# KiCad board Toad'sTempest.kicad_pcb
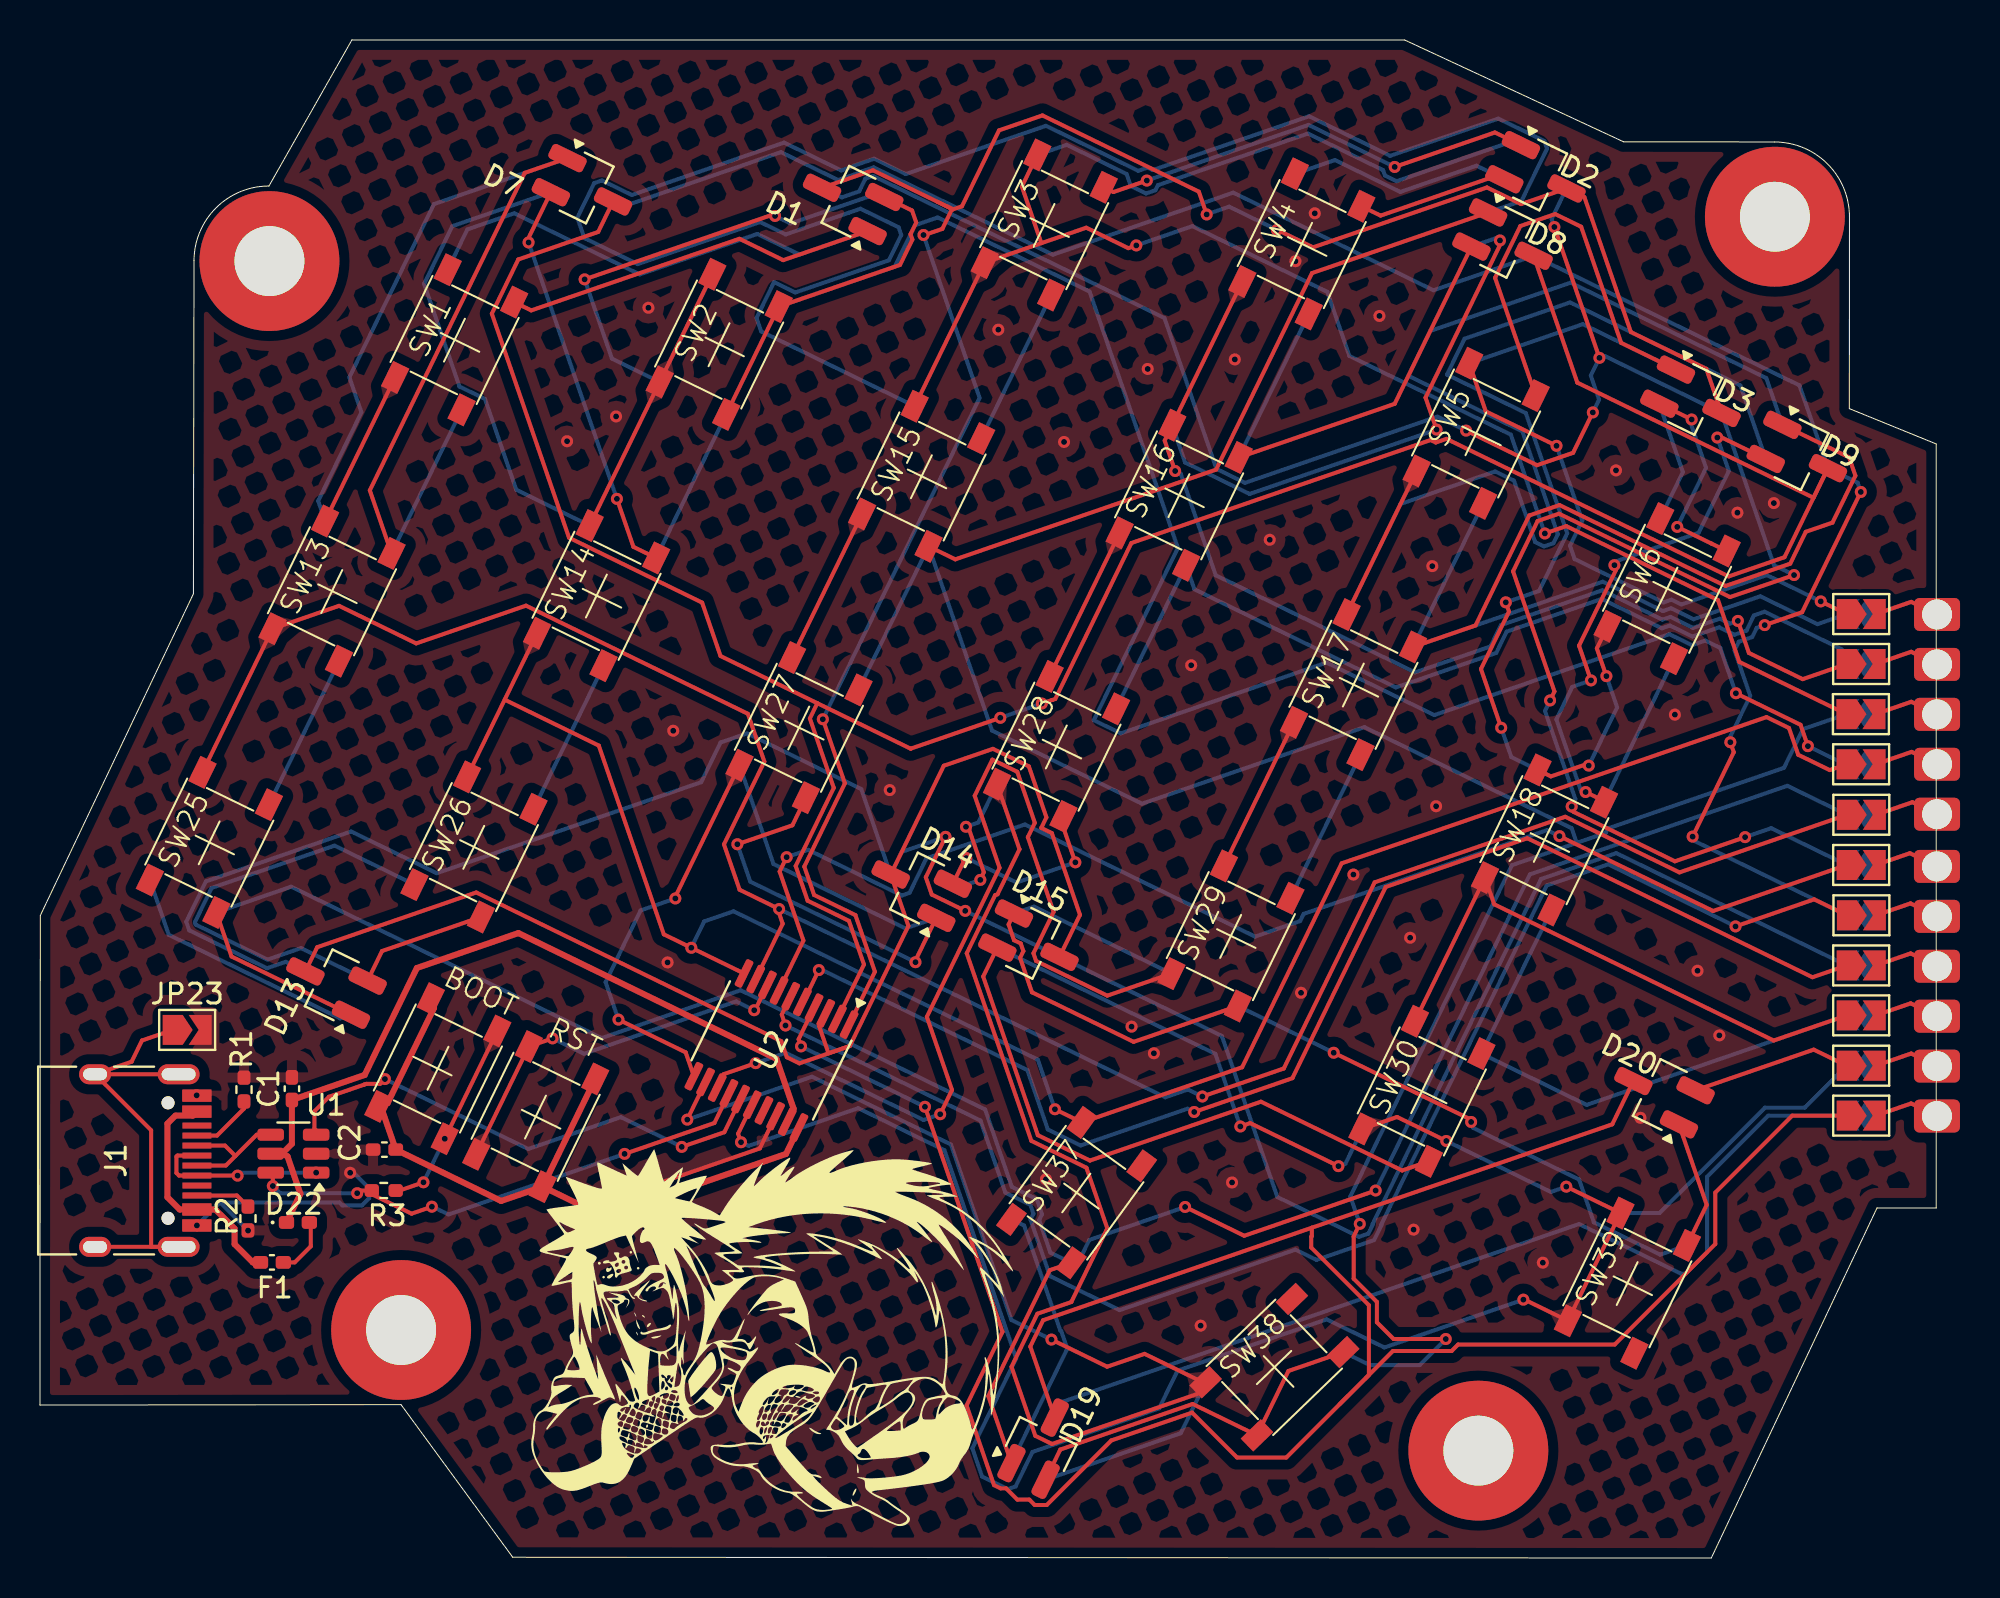
[diagram p0: board, top side]
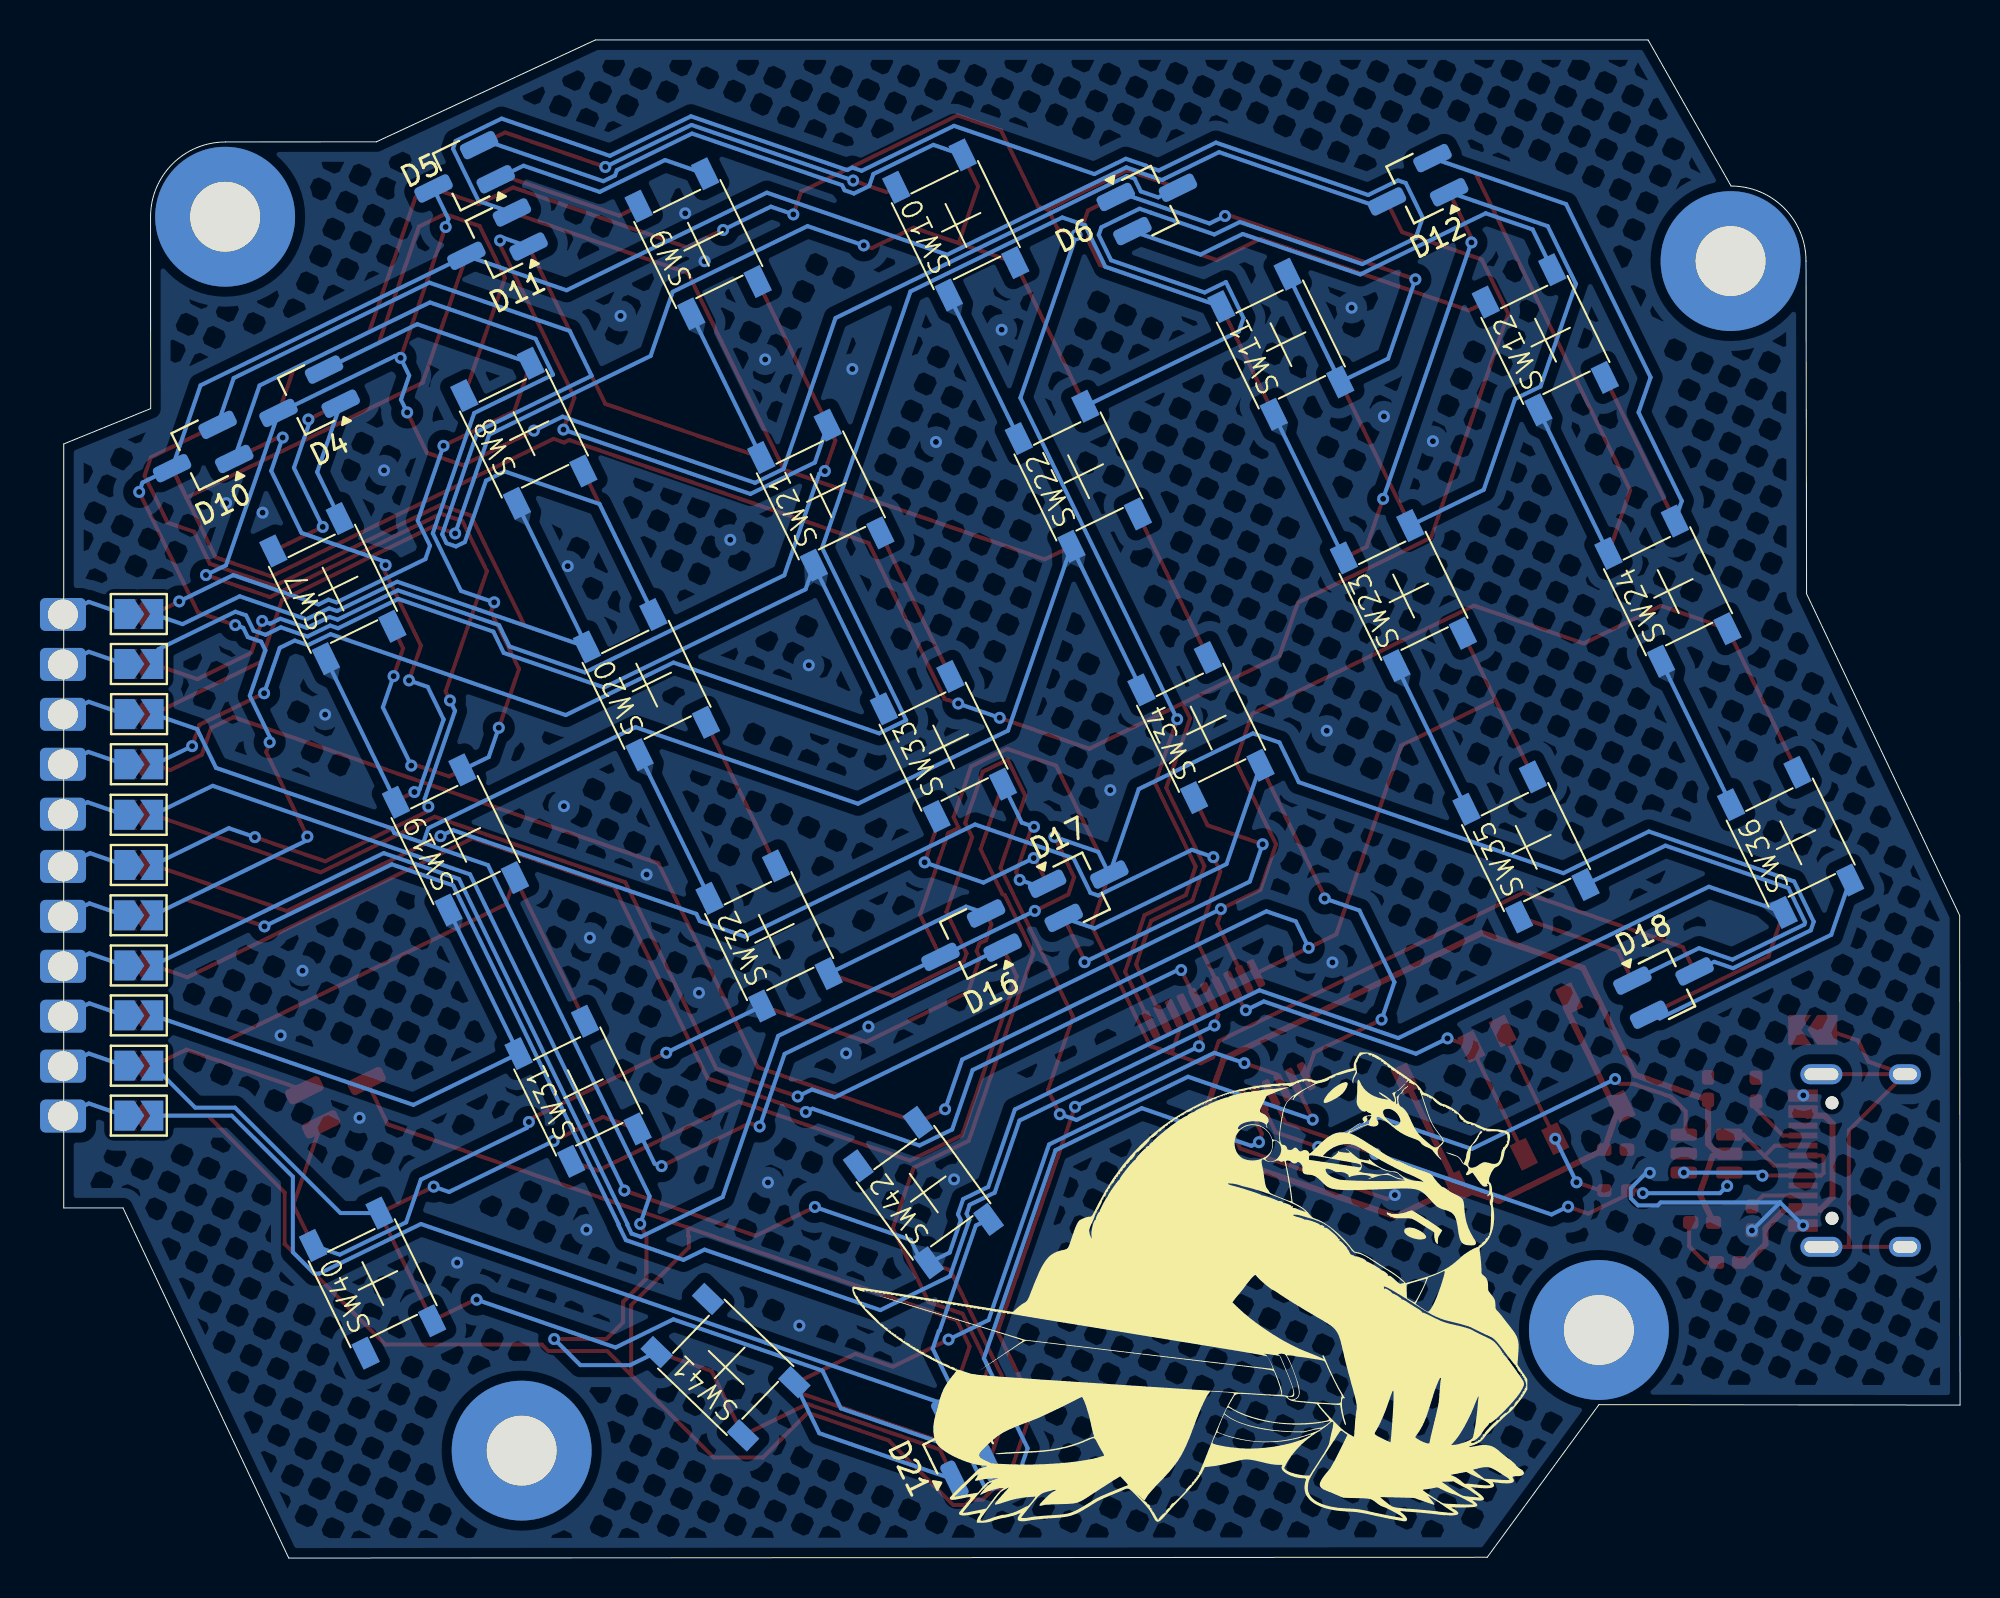
[diagram p1: board, bottom side, seen from below]

Outline 94.9 x 76.01 mm; copper layers: Top, Bottom. Coordinates in mm from the lower left corner of the outline.
Outline path: 0,7.66 18.07,7.68 23.66,0.04 83.64,0 91.94,17.53 94.9,17.53 94.9,55.78 90.55,57.55 90.56,67.15 arc(89.46,69.8) 86.81,70.9 79.25,70.91 68.29,76.01 15.61,76.01 11.46,68.7 arc(8.81,67.6) 7.71,64.95 7.68,48.28 0.02,32.17 0,7.66
Stack: Top 0.035mm / dielectric 1.51mm FR4 er 4.5 / Bottom 0.035mm

## Placement (name value [footprint] x y rotation side)
BOOT  BOOT  [BZCN-tsc003]  19.91 24.5 244 top
C1  100nF  [C_0402_1005Metric_Pad0.74x0.62mm_HandSolder]  12.61 23.5 90 top
C2  100nF  [C_0402_1005Metric_Pad0.74x0.62mm_HandSolder]  17.24 20.45 180 top
D1  BAV70_Small  [SOT-23_Handsoldering]  40.49 67.95 154 top
D2  BAV70_Small  [SOT-23_Handsoldering]  75.05 69.23 334 top
D3  BAV70_Small  [SOT-23_Handsoldering]  82.8 57.99 334 top
D4  BAV70_Small  [SOT-23_Handsoldering]  82.8 57.99 334 bottom
D5  BAV70_Small  [SOT-23_Handsoldering]  75.05 69.23 334 bottom
D6  BAV70_Small  [SOT-23_Handsoldering]  40.49 67.95 154 bottom
D7  BAV70_Small  [SOT-23_Handsoldering]  27.33 68.58 334 top
D8  BAV70_Small  [SOT-23_Handsoldering]  73.4 65.86 334 top
D9  BAV70_Small  [SOT-23_Handsoldering]  88.13 55.23 334 top
D10  BAV70_Small  [SOT-23_Handsoldering]  88.13 55.23 334 bottom
D11  BAV70_Small  [SOT-23_Handsoldering]  73.4 65.86 334 bottom
D12  BAV70_Small  [SOT-23_Handsoldering]  27.33 68.58 334 bottom
D13  BAV70_Small  [SOT-23_Handsoldering]  14.63 28.72 154 top
D14  BAV70_Small  [SOT-23_Handsoldering]  43.92 33.57 154 top
D15  BAV70_Small  [SOT-23_Handsoldering]  49.67 30.76 334 top
D16  BAV70_Small  [SOT-23_Handsoldering]  49.67 30.76 334 bottom
D17  BAV70_Small  [SOT-23_Handsoldering]  43.92 33.57 154 bottom
D18  BAV70_Small  [SOT-23_Handsoldering]  14.63 28.72 154 bottom
D19  BAV70_Small  [SOT-23_Handsoldering]  50.13 5.69 64 top
D20  BAV70_Small  [SOT-23_Handsoldering]  81.09 23.23 154 top
D21  BAV70_Small  [SOT-23_Handsoldering]  50.13 5.69 64 bottom
D22  PMEG2010EA  [D_0402_1005Metric_Pad0.77x0.64mm_HandSolder]  12.91 16.8 0 top
F1  500mA  [Fuse_0402_1005Metric_Pad0.77x0.64mm_HandSolder]  11.61 14.8 180 top
H1  MountingHole_Pad  [castellated pad]  94.93 34.63 0 top
H2  MountingHole_Pad  [castellated pad]  94.93 32.13 0 top
H3  MountingHole_Pad  [castellated pad]  94.93 29.63 0 top
H4  MountingHole_Pad  [castellated pad]  94.93 27.13 0 top
H5  MountingHole_Pad  [castellated pad]  94.93 24.63 0 top
H6  MountingHole_Pad  [castellated pad]  94.93 22.13 0 top
H7  MountingHole_Pad  [castellated pad]  94.94 47.24 0 top
H8  MountingHole_Pad  [castellated pad]  94.94 44.74 0 top
H9  MountingHole_Pad  [castellated pad]  94.94 42.24 0 top
H10  MountingHole_Pad  [castellated pad]  94.94 39.74 0 top
H11  MountingHole_Pad  [castellated pad]  94.94 37.24 0 top
J1  USB_C_Receptacle_USB2.0  [USB_C_Receptacle_HRO_TYPE-C-31-M-12]  3.81 19.9 270 top
JP1  SolderJumper_2_Open  [SolderJumper-2_P1.3mm_Open_TrianglePad1.0x1.5mm]  91.14 34.7 0 top
JP2  SolderJumper_2_Open  [SolderJumper-2_P1.3mm_Open_TrianglePad1.0x1.5mm]  91.14 34.7 180 bottom
JP3  SolderJumper_2_Open  [SolderJumper-2_P1.3mm_Open_TrianglePad1.0x1.5mm]  91.15 32.18 0 top
JP4  SolderJumper_2_Open  [SolderJumper-2_P1.3mm_Open_TrianglePad1.0x1.5mm]  91.15 32.18 180 bottom
JP5  SolderJumper_2_Open  [SolderJumper-2_P1.3mm_Open_TrianglePad1.0x1.5mm]  91.14 29.67 0 top
JP6  SolderJumper_2_Open  [SolderJumper-2_P1.3mm_Open_TrianglePad1.0x1.5mm]  91.14 29.67 180 bottom
JP7  SolderJumper_2_Open  [SolderJumper-2_P1.3mm_Open_TrianglePad1.0x1.5mm]  91.14 27.17 0 top
JP8  SolderJumper_2_Open  [SolderJumper-2_P1.3mm_Open_TrianglePad1.0x1.5mm]  91.14 27.17 180 bottom
JP9  SolderJumper_2_Open  [SolderJumper-2_P1.3mm_Open_TrianglePad1.0x1.5mm]  91.14 24.65 0 top
JP10  SolderJumper_2_Open  [SolderJumper-2_P1.3mm_Open_TrianglePad1.0x1.5mm]  91.14 24.65 180 bottom
JP11  SolderJumper_2_Open  [SolderJumper-2_P1.3mm_Open_TrianglePad1.0x1.5mm]  91.14 22.15 0 top
JP12  SolderJumper_2_Open  [SolderJumper-2_P1.3mm_Open_TrianglePad1.0x1.5mm]  91.14 22.15 180 bottom
JP13  SolderJumper_2_Open  [SolderJumper-2_P1.3mm_Open_TrianglePad1.0x1.5mm]  91.14 47.26 0 top
JP14  SolderJumper_2_Open  [SolderJumper-2_P1.3mm_Open_TrianglePad1.0x1.5mm]  91.14 47.26 180 bottom
JP15  SolderJumper_2_Open  [SolderJumper-2_P1.3mm_Open_TrianglePad1.0x1.5mm]  91.14 44.76 0 top
JP16  SolderJumper_2_Open  [SolderJumper-2_P1.3mm_Open_TrianglePad1.0x1.5mm]  91.14 44.76 180 bottom
JP17  SolderJumper_2_Open  [SolderJumper-2_P1.3mm_Open_TrianglePad1.0x1.5mm]  91.13 42.25 0 top
JP18  SolderJumper_2_Open  [SolderJumper-2_P1.3mm_Open_TrianglePad1.0x1.5mm]  91.13 42.25 180 bottom
JP19  SolderJumper_2_Open  [SolderJumper-2_P1.3mm_Open_TrianglePad1.0x1.5mm]  91.14 39.74 0 top
JP20  SolderJumper_2_Open  [SolderJumper-2_P1.3mm_Open_TrianglePad1.0x1.5mm]  91.14 39.74 180 bottom
JP21  SolderJumper_2_Open  [SolderJumper-2_P1.3mm_Open_TrianglePad1.0x1.5mm]  91.15 37.21 0 top
JP22  SolderJumper_2_Open  [SolderJumper-2_P1.3mm_Open_TrianglePad1.0x1.5mm]  91.15 37.21 180 bottom
JP23  SolderJumper_2_Open  [SolderJumper-2_P1.3mm_Open_TrianglePad1.0x1.5mm]  7.37 26.44 0 top
R1  5.1k  [R_0402_1005Metric_Pad0.72x0.64mm_HandSolder]  10.21 23.46 270 top
R2  5.1k  [R_0402_1005Metric_Pad0.72x0.64mm_HandSolder]  10.41 17 90 top
R3  10k  [R_0402_1005Metric_Pad0.72x0.64mm_HandSolder]  17.21 18.4 0 top
REF**  -  [MountingHole_3.5mm_Pad]  18.07 11.42 0 top
REF**#2  -  [MountingHole_3.5mm_Pad]  11.48 64.94 0 top
REF**#3  -  [MountingHole_3.5mm_Pad]  86.82 67.16 0 top
REF**#4  -  [MountingHole_3.5mm_Pad]  71.98 5.38 0 top
RST  RESET  [BZCN-tsc003]  24.81 22.1 64 top
SW1  SW_Push  [BZCN-tsc003]  20.75 61 64 top
SW2  SW_Push  [BZCN-tsc003]  33.99 60.77 64 top
SW3  SW_Push  [BZCN-tsc003]  50.26 66.75 64 top
SW4  SW_Push  [BZCN-tsc003]  63.15 65.8 64 top
SW5  SW_Push  [BZCN-tsc003]  71.87 56.32 64 top
SW6  SW_Push  [BZCN-tsc003]  81.43 48.54 64 top
SW7  SW_Push  [BZCN-tsc003#3]  81.43 48.54 64 bottom
SW8  SW_Push  [BZCN-tsc003#3]  71.87 56.32 64 bottom
SW9  SW_Push  [BZCN-tsc003#3]  63.15 65.8 64 bottom
SW10  SW_Push  [BZCN-tsc003#3]  50.26 66.75 64 bottom
SW11  SW_Push  [BZCN-tsc003#3]  33.99 60.77 64 bottom
SW12  SW_Push  [BZCN-tsc003#3]  20.75 61 64 bottom
SW13  SW_Push  [BZCN-tsc003]  14.62 48.42 64 top
SW14  SW_Push  [BZCN-tsc003]  27.86 48.19 64 top
SW15  SW_Push  [BZCN-tsc003]  44.12 54.16 64 top
SW16  SW_Push  [BZCN-tsc003]  57.01 53.22 64 top
SW17  SW_Push  [BZCN-tsc003]  65.74 43.73 64 top
SW18  SW_Push  [BZCN-tsc003]  75.29 35.95 64 top
SW19  SW_Push  [BZCN-tsc003#3]  75.29 35.95 64 bottom
SW20  SW_Push  [BZCN-tsc003#3]  65.74 43.73 64 bottom
SW21  SW_Push  [BZCN-tsc003#3]  57.01 53.22 64 bottom
SW22  SW_Push  [BZCN-tsc003#3]  44.12 54.16 64 bottom
SW23  SW_Push  [BZCN-tsc003#3]  27.86 48.19 64 bottom
SW24  SW_Push  [BZCN-tsc003#3]  14.62 48.42 64 bottom
SW25  SW_Push  [BZCN-tsc003]  8.48 35.83 64 top
SW26  SW_Push  [BZCN-tsc003]  21.72 35.61 64 top
SW27  SW_Push  [BZCN-tsc003]  37.98 41.58 64 top
SW28  SW_Push  [BZCN-tsc003]  50.87 40.63 64 top
SW29  SW_Push  [BZCN-tsc003]  59.6 31.15 64 top
SW30  SW_Push  [BZCN-tsc003]  69.16 23.37 64 top
SW31  SW_Push  [BZCN-tsc003#3]  69.16 23.37 64 bottom
SW32  SW_Push  [BZCN-tsc003#3]  59.6 31.15 64 bottom
SW33  SW_Push  [BZCN-tsc003#3]  50.87 40.63 64 bottom
SW34  SW_Push  [BZCN-tsc003#3]  37.98 41.58 64 bottom
SW35  SW_Push  [BZCN-tsc003#3]  21.72 35.61 64 bottom
SW36  SW_Push  [BZCN-tsc003#3]  8.48 35.83 64 bottom
SW37  SW_Push  [BZCN-tsc003#2]  51.88 18.3 54 top
SW38  SW_Push  [BZCN-tsc003#2]  61.78 9.56 44 top
SW39  SW_Push  [BZCN-tsc003]  79.44 13.77 64 top
SW40  SW_Push  [BZCN-tsc003#3]  79.44 13.77 64 bottom
SW41  SW_Push  [BZCN-tsc003#2]  61.78 9.56 44 bottom
SW42  SW_Push  [BZCN-tsc003#2]  51.88 18.3 54 bottom
U1  USBLC6-2SC6  [SOT-23-6]  12.68 20.25 180 top
U2  CH552T  [TSSOP-20_4.4x6.5mm_P0.65mm]  36.61 25.41 244 top

## Library data of the parts
BOOT RST = -: Description: Single Pole Single Throw (SPST) switch; LCSC: C115357; LCSC Part : C2888968
C1 C2 = -: Description: Unpolarized capacitor; LCSC: C1525; ki_fp_filters: C_*
D1-D21 = -: Datasheet: https://assets.nexperia.com/documents/data-sheet/BAV70_SER.pdf; ki_fp_filters: SOT?23*
D22 = -: Description: Schottky diode; LCSC: C2837790; ki_fp_filters: TO-???* *_Diode_* *SingleDiode* D_*
F1 = -: Description: Resettable fuse, polymeric positive temperature coefficient, small symbol; LCSC: C210357; ki_fp_filters: *polyfuse* *PTC*
H1-H11 = -: Description: Mounting Hole with connection; ki_fp_filters: MountingHole*Pad*
J1 = -: Datasheet: https://www.usb.org/sites/default/files/documents/usb_type-c.zip; JLCPCB_CORRECTION: 0; -1.35; 0; LCSC: C2765186; ki_fp_filters: USB*C*Receptacle*
JP1-JP23 = -: Description: Solder Jumper, 2-pole, open; ki_fp_filters: SolderJumper*Open*
R1 R2 = -: Description: Resistor; LCSC: C25905; ki_fp_filters: R_*
R3 = -: Description: Resistor; LCSC: C25744; ki_fp_filters: R_*
SW1-SW42 = -: Description: Single Pole Single Throw (SPST) switch; LCSC Part : C2888968
U1 = -: Datasheet: https://www.st.com/resource/en/datasheet/usblc6-2.pdf; Description: Very low capacitance ESD protection diode, 2 data-line, SOT-23-6; JLCPCB_CORRECTION: 0; 0; 270; LCSC: C2687116; ki_fp_filters: SOT?23*
U2 = -: LCSC: C111367

## Footprints (pads in the part's own frame, mm; a bottom-side part is the same pattern mirrored in y, then rotated)
BZCN-tsc003
  rect 1.4x0.9 smd: 1(-3,1.85) 1(3,1.85) 2(-3,-1.85) 2(3,-1.85)
BZCN-tsc003#2
  rect 1.4x0.9 smd: 1(-3,1.85) 1(3,1.85) 2(-3,-1.85) 2(3,-1.85)
BZCN-tsc003#3
  rect 1.4x0.9 smd: 1(-3,1.85) 1(3,1.85) 2(-3,-1.85) 2(3,-1.85)
C_0402_1005Metric_Pad0.74x0.62mm_HandSolder
  rrect 0.735x0.62 smd: 1(-0.568,0) 2(0.568,0)
castellated pad
  rrect 2.3x1.65 hole 1.5: 1(0,0)
D_0402_1005Metric_Pad0.77x0.64mm_HandSolder
  rrect 0.765x0.64 smd: 1(-0.573,0) 2(0.573,0)
Fuse_0402_1005Metric_Pad0.77x0.64mm_HandSolder
  rrect 0.765x0.64 smd: 1(-0.573,0) 2(0.573,0)
MountingHole_3.5mm_Pad
  round 7 hole 3.5: 1(0,0)
R_0402_1005Metric_Pad0.72x0.64mm_HandSolder
  rrect 0.715x0.64 smd: 1(-0.598,0) 2(0.598,0)
SolderJumper-2_P1.3mm_Open_TrianglePad1.0x1.5mm
  custom 1.5x1.5 smd: 1(-0.725,0)
  custom 1.15x1.5 smd: 2(0.725,0)
SOT-23-6
  rrect 1.325x0.6 smd: 1(-1.137,0.95) 2(-1.137,0) 3(-1.138,-0.95) 4(1.137,-0.95) 5(1.137,0) 6(1.138,0.95)
SOT-23_Handsoldering
  rrect 1.9x0.8 smd: 1(-1.5,0.95) 2(-1.5,-0.95) 3(1.5,0)
TSSOP-20_4.4x6.5mm_P0.65mm
  rrect 1.475x0.4 smd: 1(-2.862,2.925) 2(-2.862,2.275) 3(-2.862,1.625) 4(-2.862,0.975) 5(-2.862,0.325) 6(-2.862,-0.325) 7(-2.862,-0.975) 8(-2.862,-1.625) 9(-2.862,-2.275) 10(-2.862,-2.925) 11(2.862,-2.925) 12(2.862,-2.275) 13(2.862,-1.625) 14(2.862,-0.975) 15(2.862,-0.325) 16(2.862,0.325) 17(2.862,0.975) 18(2.862,1.625) 19(2.862,2.275) 20(2.862,2.925)
USB_C_Receptacle_HRO_TYPE-C-31-M-12
  round 0.65 hole 0.65 unplated: (-2.89,2.6) (2.89,2.6)
  rect 0.6x1.45 smd: A1(-3.25,4.045) A4(-2.45,4.045) A9(2.45,4.045) A12(3.25,4.045) B1(3.25,4.045) B4(2.45,4.045) B9(-2.45,4.045) B12(-3.25,4.045)
  rect 0.3x1.45 smd: A5(-1.25,4.045) A6(-0.25,4.045) A7(0.25,4.045) A8(1.25,4.045) B5(1.75,4.045) B6(0.75,4.045) B7(-0.75,4.045) B8(-1.75,4.045)
  oval 1x2.1 hole 0.6x1.7: S1(-4.32,3.13) S1(4.32,3.13)
  oval 1x1.6 hole 0.6x1.2: S1(-4.32,-1.05) S1(4.32,-1.05)

## Nets
+3.3V: BOOT.2 C2.1 RST.2 U2.20
GND: C1.2 C2.2 J1.A1 J1.A12 J1.B1 J1.B12 JP23.2 R1.1 R2.1 U1.2 U2.18
VBUS: F1.2 J1.A4 J1.A9 J1.B4 J1.B9
VCC: C1.1 D22.1 U1.5 U2.19
c1: JP21.1 SW1.1 SW13.1 SW25.1 U2.9
c2: JP19.1 SW2.1 SW14.1 SW26.1 SW37.1 U2.10
c3: JP17.1 SW3.1 SW15.1 SW27.1 U2.11
c4: JP15.1 SW4.1 SW16.1 SW28.1 SW38.1 U2.12
c5: JP13.1 SW5.1 SW17.1 SW29.1 U2.13
c6: JP7.1 SW6.1 SW18.1 SW30.1 SW39.1 U2.16
DM: U1.3 U2.15
DP: R3.1 U1.6 U2.14
PORT+: J1.A6 J1.B6 U1.1
PORT-: J1.A7 J1.B7 U1.4
r1: D1.3 D2.3 D3.3 U2.1
r2: D7.3 D8.3 D9.3 U2.2
r3: D13.3 D14.3 D15.3 U2.3
r4: D19.3 D20.3 JP11.1 U2.4
r5: JP5.1 U2.5
r6: JP3.1 U2.6
r7: JP1.1 U2.7
RST: RST.1 U2.8
Net-(D1-A1): D1.1 SW1.2
Net-(D1-A2): D1.2 SW2.2
Net-(D2-A1): D2.1 SW3.2
Net-(D2-A2): D2.2 SW4.2
Net-(D3-A1): D3.1 SW5.2
Net-(D3-A2): D3.2 SW6.2
Net-(D4-A1): D4.1 SW7.2
Net-(D4-A2): D4.2 SW8.2
Net-(D4-K): D4.3 D5.3 D6.3 JP2.2
Net-(D5-A1): D5.1 SW9.2
Net-(D5-A2): D5.2 SW10.2
Net-(D6-A1): D6.1 SW11.2
Net-(D6-A2): D6.2 SW12.2
Net-(D7-A1): D7.1 SW13.2
Net-(D7-A2): D7.2 SW14.2
Net-(D8-A1): D8.1 SW15.2
Net-(D8-A2): D8.2 SW16.2
Net-(D9-A1): D9.1 SW17.2
Net-(D9-A2): D9.2 SW18.2
Net-(D10-A1): D10.1 SW19.2
Net-(D10-A2): D10.2 SW20.2
Net-(D10-K): D10.3 D11.3 D12.3 JP4.2
Net-(D11-A1): D11.1 SW21.2
Net-(D11-A2): D11.2 SW22.2
Net-(D12-A1): D12.1 SW23.2
Net-(D12-A2): D12.2 SW24.2
Net-(D13-A1): D13.1 SW25.2
Net-(D13-A2): D13.2 SW26.2
Net-(D14-A1): D14.1 SW27.2
Net-(D14-A2): D14.2 SW28.2
Net-(D15-A1): D15.1 SW29.2
Net-(D15-A2): D15.2 SW30.2
Net-(D16-A1): D16.1 SW31.2
Net-(D16-A2): D16.2 SW32.2
Net-(D16-K): D16.3 D17.3 D18.3 JP6.2
Net-(D17-A1): D17.1 SW33.2
Net-(D17-A2): D17.2 SW34.2
Net-(D18-A1): D18.1 SW35.2
Net-(D18-A2): D18.2 SW36.2
Net-(D19-A1): D19.1 SW37.2
Net-(D19-A2): D19.2 SW38.2
Net-(D20-A1): D20.1 SW39.2
Net-(D20-A2): D20.2 JP9.1
Net-(D21-A1): D21.1 SW41.2
Net-(D21-A2): D21.2 SW42.2
Net-(D21-K): D21.3 JP12.2
Net-(D22-A): D22.2 F1.1
Net-(J1-CC1): J1.A5 R1.2
Net-(J1-CC2): J1.B5 R2.2
Net-(J1-SHIELD): J1.S1 JP23.1
Net-(JP1-B): H1.1 JP1.2 JP2.1
Net-(JP3-B): H2.1 JP3.2 JP4.1
Net-(JP5-B): H3.1 JP5.2 JP6.1
Net-(JP7-B): H4.1 JP7.2 JP8.1
Net-(JP8-B): JP8.2 SW7.1 SW19.1 SW31.1
Net-(JP10-A): H5.1 JP9.2 JP10.1
Net-(JP10-B): JP10.2 SW40.2
Net-(JP11-B): H6.1 JP11.2 JP12.1
Net-(JP13-B): H7.1 JP13.2 JP14.1
Net-(JP14-B): JP14.2 SW8.1 SW20.1 SW32.1 SW40.1
Net-(JP15-B): H8.1 JP15.2 JP16.1
Net-(JP16-B): JP16.2 SW9.1 SW21.1 SW33.1
Net-(JP17-B): H9.1 JP17.2 JP18.1
Net-(JP18-B): JP18.2 SW10.1 SW22.1 SW34.1 SW41.1
Net-(JP19-B): H10.1 JP19.2 JP20.1
Net-(JP20-B): JP20.2 SW11.1 SW23.1 SW35.1
Net-(JP21-B): H11.1 JP21.2 JP22.1
Net-(JP22-B): JP22.2 SW12.1 SW24.1 SW36.1 SW42.1
Net-(SW43-A): BOOT.1 R3.2

Pads without a net: J1 A8 B8; REF** 1; REF**#2 1; REF**#3 1; REF**#4 1; U2 17

## Via types
v1: diameter 0.6, hole 0.3, Top to Bottom, 133 vias

## Routing (per net, layer and track width the routed paths; a pad name or vN(x,y) marks a point on that pad's centre or on a via; arc(x,y) is an arc through that point)
+3.3V: length 37.3
  Top w0.3: RST.2 23.08,17.88 C2.1 17.08,22.54 BOOT.2 17.4,22.78 19.72,27.54 BOOT.2 ; RST.2 RST.2 ; RST.2 28.23,17.1 37.34,20.24 U2.20
GND: length 23.1
  Top w0.2: v1(28.29,18.17) 28.68,17.98 36.02,20.51 U2.18 ; R2.1 v1(10.41,16.4)
  Bottom w0.2: v1(15.52,19.29) 15.7,19.29 16.47,18.52 16.47,18.02 16.11,17.66 15.13,17.66 14.98,17.8 9.01,17.8 ; 9.01,17.8 9.01,17.8 v1(10.41,16.4) ; 9.01,17.8 v1(7.85,16.65)
  vias: v1(7.84,23.17) v1(26.38,55.92) v1(28.83,57.16) v1(30.45,62.6) v1(31.41,29.82) v1(31.69,41.42) v1(42.53,38.45) v1(47.96,61.5) v1(50.34,18.96) v1(51.25,55.88) v1(54.63,26.61) v1(55.44,59.54) v1(55.75,25.27) v1(57.61,44.7) v1(58.09,11.64) v1(59.66,18.8) v1(59.8,60.01) v1(61.54,50.98) v1(62.83,64.93) v1(63.11,28.3) v1(63.8,67.33) v1(65.73,34.22) v1(67.03,62.19) v1(68.57,31.06) v1(68.74,16.44) v1(69.68,49.66) v1(69.87,37.64) v1(75.21,14.79) v1(78.87,54.46) v1(80.1,22.04) v1(81.82,42.23) v1(82.95,29.41) v1(84.04,26.17) v1(84.95,52.34) v1(86.77,52.82)
VBUS: length 11.9
  Top w0.3: J1.A4 7.65,22.15 6.78,22.15 6.38,21.75 6.38,18.07 6.99,17.45 J1.A9 8.78,17.45 9.74,16.49 9.74,15.72 10.65,14.8 F1.2
VCC: length 40.5
  Top w0.3: U2.19 37.72,22.5 36.86,24.99 23.94,31.29 18.86,29.54 16.25,24.19 C1.1 12.61,20.74 12.11,20.25 ; D22.1 13.03,18.23 12.39,20.11 12.11,20.25 ; 11.33,20.25 12.11,20.25
c1: length 121.1
  Top w0.2: v1(58.17,23.11) 62.25,24.51 66.79,33.83 76.33,37.12 82.05,34.33 JP21.1 ; SW25.1 SW13.1 14.97,47.68 18.83,45.79 24.32,47.69 35.43,42.27 36.25,39.88 34.23,35.73 35.01,33.46 v1(36.99,32.5) 36.95,32.41 37.17,31.76 U2.9 ; SW1.1 SW13.1
  Bottom w0.2: v1(58.17,23.11) 57.45,23.46 56.32,23.07 v1(36.99,32.5)
c2: length 113.4
  Top w0.2: 23.26,42.98 27.97,40.68 31.22,31.23 v1(32.6,30.56) U2.10 ; v1(50.79,22.47) SW37.1 60.16,24.57 65.14,34.79 86.41,42.11 87.53,41.56 87.99,40.22 89.57,39.45 JP19.1 ; SW14.1 SW2.1 SW2.1 ; SW14.1 SW26.1
  Bottom w0.2: v1(50.79,22.47) 49.94,24.96 34.71,32.38 33.24,31.88 v1(32.6,30.56)
c3: length 96.1
  Top w0.2: v1(31.8,33.03) 31.78,33.08 SW27.1 ; SW15.1 SW3.1 50.12,65.84 ; SW3.1 49.14,68.67 50.12,65.84 ; 50.12,65.84 52.36,66.61 54.46,65.58 v1(54.87,65.72) ; v1(75.31,51.3) 76.38,51.67 83.98,47.96 85.04,44.87 JP17.1 ; SW27.1 SW15.1 ; U2.11 32.31,25.32 v1(28.95,26.96)
  Bottom w0.2: v1(28.95,26.96) 28.31,28.83 30.06,32.43 v1(31.8,33.03) ; v1(54.87,65.72) 57.67,66.69 64.43,63.4 65.53,60.19 73.61,56.25 v1(75.31,51.3)
c4: length 144.1
  Top w0.2: SW16.1 SW28.1 ; SW28.1 49.02,35.49 47.92,33.23 47.8,33.19 46.38,30.28 49.61,20.89 52.37,19.54 53.41,16.51 51.62,12.82 49.92,12.23 48.62,9.58 49.81,6.12 50.65,5.71 58.07,8.27 SW38.1 58.25,8.78 55.28,10.22 53.41,9.58 v1(50.62,10.94) ; JP15.1 88.21,44.01 85.52,45.32 v1(84.97,46.92) ; SW4.1 SW16.1 56.29,55.95 v1(56.81,54.43) ; v1(32.4,21.95) 32.39,21.96 U2.12
  Bottom w0.2: v1(50.62,10.94) 48.62,11.92 45.59,20.71 38.63,24.1 v1(32.4,21.95) ; v1(84.97,46.92) 84.57,46.78 84.06,47.03 82.73,46.57 81.6,47.12 81.19,46.98 78.18,48.45 73.11,46.71 72.59,45.64 68.82,44.34 58.84,49.21 57.09,54.29 v1(56.81,54.43)
c5: length 94.3
  Top w0.2: U2.13 34.22,24.23 v1(35.82,24.78) ; SW29.1 53.41,28.16 49.85,29.9 49.72,30.28 50.73,32.35 49.44,36.09 49.79,36.81 48.91,39.37 47.66,39.98 46.78,38.17 48.02,34.56 44.38,27.1 45.64,23.44 v1(45.05,22.22) ; v1(89.12,47.9) JP13.1 ; SW17.1 SW5.1 ; v1(75.9,55.69) 72.36,57.41 SW5.1 ; SW17.1 SW29.1
  Bottom w0.2: v1(45.05,22.22) 44.21,21.93 37.32,25.3 v1(35.82,24.78) ; v1(75.9,55.69) 77.18,51.94 76.57,50.69 76.8,50.02 81.25,47.85 81.65,47.99 82.15,47.74 86.42,49.22 v1(89.12,47.9)
c6: length 123.6
  Top w0.2: v1(77.51,39.68) 77.38,39.74 75.62,39.14 SW18.1 ; v1(70.38,20.88) 67.92,22.08 SW30.1 ; SW6.1 77.91,45.55 v1(78.39,44.16) ; JP7.1 86.76,25.91 72.78,32.73 SW18.1 SW30.1 ; U2.16 34.94,21.25 v1(35.08,20.82) ; v1(76.38,18.6) SW39.1 SW39.1 74.27,12.95 v1(74.24,12.94)
  Bottom w0.2: v1(35.08,20.82) 35.46,20.64 40.95,22.53 45.27,20.42 48.86,10 46.66,5.5 47.15,4.08 48.44,3.45 48.82,3.58 49.67,5.31 56.01,7.5 56.93,9.38 64.39,11.95 67.28,10.54 v1(74.24,12.94) ; v1(70.38,20.88) 75.61,18.33 v1(76.38,18.6) ; v1(77.51,39.68) 78.93,42.59 v1(78.39,44.16)
DM: length 25.7
  Top w0.2: v1(32.12,20.59) 34.25,21.32 U2.15 ; v1(17.26,23.98) 17.02,23.74 16.34,23.74 14.46,23.1 13.73,22.37 13.73,21.5 14.03,21.2
  Bottom w0.2: v1(17.26,23.98) 24.44,20.48 29.07,22.08 v1(32.12,20.59)
DP: length 26
  Top w0.2: v1(11.65,18.63) 11.65,19.19 U1.6 ; v1(15.87,18.27) 16.01,18.4 R3.1 16.69,18.18 18.6,17.24 v1(19.61,17.59) ; v1(29.26,20.24) 33.75,21.78 U2.14
  Bottom w0.2: v1(29.26,20.24) 20.44,17.2 19.63,17.6 v1(19.61,17.59) ; v1(11.65,18.63) 12.01,18.27 v1(15.87,18.27)
PORT+: length 9
  Top w0.2: v1(9.89,19.15) 9.89,19.15 J1.B6 6.96,19.15 6.83,19.28 6.83,20.1 6.88,20.15 J1.A6
  Bottom w0.2: v1(13.82,19.3) 10.04,19.3 v1(9.89,19.15)
PORT-: length 6.3
  Top w0.2: 9.78,20.13 9.26,20.65 J1.B7 ; 9.78,20.13 9.3,19.65 J1.A7 ; 9.78,20.13 10.85,21.2 11.33,21.2
r1: length 105.3
  Top w0.2: v1(61.9,66.5) 61.92,66.5 63.71,65.63 72.41,68.62 74.12,67.79 D2.3 77.29,68.14 79.62,61.38 83.39,59.54 D3.3 ; 44.92,67.91 45.65,67.55 45.16,66.55 44.24,66.23 v1(44.22,66.24) ; 44.92,67.91 41.68,69.48 D1.3 ; 44.92,67.91 45.69,67.53 46.14,67.68 48,71.48 50.17,72.23 58,68.41 v1(58.39,67.27) ; v1(39.18,42) 40.28,38.79 38.25,34.62 38.74,33.2 40.81,32.19 41.79,29.36 U2.1
  Bottom w0.2: v1(61.9,66.5) 59.51,67.66 58.39,67.28 v1(58.39,67.27) ; v1(39.18,42) 47.03,58.09 v1(44.22,66.24)
r2: length 138.2
  Top w0.2: 38.9,42.8 43.58,40.52 43.58,40.53 v1(48.06,42.07) ; 38.9,42.8 34.06,45.16 33.14,47.84 26.48,51.09 22.61,62.3 23.94,65.02 27.94,66.4 D7.3 ; 38.9,42.8 38.53,42.04 39.73,38.56 37.82,34.65 38.42,32.91 40.49,31.9 41.24,29.72 U2.2 ; D8.3 76.94,58.85 88.76,53.09 D9.3 87.31,50.11 84.51,49.15 70.39,56.04 69.85,55.85 69.6,55.98 54.62,50.82 50.81,43.01 50.66,42.96 50.66,42.96 v1(50.14,42.78)
  Bottom w0.2: v1(50.14,42.78) v1(48.06,42.07)
r3: length 64.9
  Top w0.2: 40.53,25.64 39.48,25.27 39.46,25.28 39,26.61 U2.3 ; 40.53,25.64 43.46,31.65 D14.3 45.23,39.67 47.69,40.52 49.49,39.64 50.37,37.09 50.11,36.56 50.64,36.3 52.05,32.2 D15.3 ; 40.53,25.64 38.01,24.77 37.38,25.08 37.1,25.88 21.83,33.33 13.88,30.59 D13.3
r4: length 131.9
  Top w0.2: D19.3 49.56,10.59 50.2,11.91 63.65,16.54 ; 63.65,16.54 63.65,16.12 63.62,16.09 63.62,15.55 66.51,12.66 66.51,9.17 65.04,7.7 ; 63.65,16.54 78.69,21.72 D20.3 ; v1(38.09,25.62) 37.97,25.97 U2.4 ; v1(44.29,22.59) 48.17,11.33 46.37,7.64 47.75,3.65 48.08,3.49 48.35,3.49 48.91,2.93 49.51,2.93 49.78,2.66 50.38,2.66 53.62,5.89 57.66,7.28 59.91,5.03 62.38,5.03 67.71,10.37 70.65,10.37 70.97,10.69 78.81,10.69 83.84,15.73 83.84,18.3 87.69,22.15 JP11.1
  Bottom w0.2: v1(38.09,25.62) v1(44.29,22.59)
r5: length 65.5
  Top w0.2: JP5.1 88.7,29.08 74.43,36.04 67.35,33.6 62.68,24.03 v1(57.77,22.33) ; v1(38.98,29.44) 38.21,27.86 U2.5
  Bottom w0.2: v1(38.98,29.44) 39.08,29.47 49.41,24.43 50.44,21.46 52.08,20.66 57.43,22.5 v1(57.77,22.33)
r6: length 74.9
  Top w0.2: v1(37.31,26.67) 37.12,27.21 U2.6 ; JP3.1 88.79,32.98 v1(84.85,31.63)
  Bottom w0.2: v1(37.31,26.67) 47.07,21.91 48.31,18.29 49.56,17.68 49.72,17.24 49.57,16.95 50.55,14.11 54.03,12.41 62.83,15.44 63.88,14.93 66.77,15.92 67.13,16.67 67.12,16.69 75.41,33.68 78.48,34.73 v1(84.85,31.63)
r7: length 65.9
  Top w0.2: JP1.1 83.73,32.4 v1(76.04,36.15) ; U2.7 38.21,30.92 37.02,34.37 v1(37.37,35.09)
  Bottom w0.2: v1(76.04,36.15) 75.42,36.45 63.24,32.25 63.07,31.89 60.81,31.12 49.29,36.73 44.36,35.03 43.52,33.3 43.13,33.17 38.44,35.46 v1(37.37,35.09)
RST: length 19.5
  Top w0.2: RST.1 RST.1 v1(25.65,26.02) ; U2.8 35.79,27.45 v1(35.74,27.43)
  Bottom w0.2: v1(25.65,26.02) 27.23,25.25 34.84,27.87 v1(35.74,27.43)
Net-(D1-A1): length 18.9
  Top w0.2: D1.1 37.19,64.98 35,66.05 24.59,62.47 SW1.2
Net-(D1-A2): length 16.9
  Top w0.2: D1.2 43.65,67.47 43.85,66.87 43.57,66.28 43.66,66.02 43.04,64.75 SW2.2 SW2.2
Net-(D2-A1): length 22.4
  Top w0.2: D2.1 72.81,71.38 v1(67.8,69.65) ; v1(55.39,68.97) 53.72,68.39 SW3.2
  Bottom w0.2: v1(67.8,69.65) 63.48,71.76 v1(55.39,68.97)
Net-(D2-A2): length 7.6
  Top w0.2: SW4.2 67.09,67.21 72.91,69.22 D2.2
Net-(D3-A1): length 21.6
  Top w0.2: D3.1 79.13,60.84 77.13,66.66 75.83,67.29 74.09,66.69 72.82,64.1 SW5.2
Net-(D3-A2): length 10.4
  Top w0.2: v1(81.94,51.63) 83.64,50.8 SW6.2 ; v1(82.66,57.01) D3.2
  Bottom w0.2: v1(82.66,57.01) 82.59,56.87 83.38,54.58 v1(81.94,51.63)
Net-(D4-A1): length 6.2
  Bottom w0.2: SW7.2 82.22,54.37 D4.1
Net-(D4-A2): length 11.2
  Bottom w0.2: SW8.2 77.21,61.78 D4.2
Net-(D4-K): length 121.4
  Top w0.2: v1(76.66,37.63) 76.75,37.36 81.82,34.89 v1(85.33,36.1) ; v1(77.71,57.36) 76.73,55.34 74.92,54.72 v1(71.37,56.45) ; v1(87.78,49.22) 84.58,48.12 76.02,52.29 74.95,51.92 73.72,49.41 75.79,43.39 v1(75.57,42.94) ; v1(75.79,66.64) v1(78.04,60.09)
  Bottom w0.2: JP2.2 86.64,36.54 v1(85.33,36.1) ; v1(77.71,57.36) 78.03,58 77.61,59.2 v1(78.04,60.09) 78.31,60.18 D4.3 86.78,49.71 v1(87.78,49.22) ; v1(75.57,42.94) 75.32,42.42 76.84,38 v1(76.66,37.63) ; D5.3 75.65,67.05 v1(75.79,66.64) ; D6.3 40.13,68.13 41,68.43 41.31,69.07 41.69,69.2 56.28,62.09 58.88,54.53 60.31,53.84 69.93,57.15 v1(71.37,56.45)
Net-(D5-A1): length 11.3
  Bottom w0.2: SW9.2 64.81,70 68.08,68.4 71.89,69.71 D5.1
Net-(D5-A2): length 26.8
  Bottom w0.2: SW10.2 51.38,70.76 54.38,69.3 54.59,68.69 55.35,68.32 55.82,68.48 55.95,68.74 63.46,71.32 67.22,69.49 67.31,69.22 67.89,68.94 73.71,70.94 D5.2
Net-(D6-A1): length 28.8
  Top w0.2: v1(27.26,64.02) 36.66,67.26 v1(36.79,67.2)
  Bottom w0.2: D6.1 41.9,68.32 37.56,66.82 v1(36.79,67.2) ; v1(27.26,64.02) 28.62,60.05 SW11.2 SW11.2
Net-(D6-A2): length 23.9
  Bottom w0.2: SW12.2 21.39,66.52 23.74,67.33 30.01,64.27 35.9,66.3 38.01,65.27 D6.2
Net-(D7-A1): length 23.3
  Top w0.2: SW13.2 16.51,53.46 24.26,69.36 D7.1
Net-(D7-A2): length 20.2
  Top w0.2: D7.2 24.41,66 v1(24.45,65.87) ; SW14.2 29.7,50.63 v1(28.87,53.03)
  Bottom w0.2: v1(24.45,65.87) v1(28.87,53.03)
Net-(D8-A1): length 35.6
  Top w0.2: D8.1 63.66,64.34 58.86,54.5 45.81,50 SW15.2
Net-(D8-A2): length 17
  Top w0.2: SW16.2 67.8,57.79 D8.2
Net-(D9-A1): length 34.2
  Top w0.2: SW17.2 71.84,46.69 74.53,52.2 76.04,52.72 84.35,48.67 87.59,49.79 88.37,51.38 89.71,51.84 90.85,54.19 90.54,55.11 D9.1
Net-(D9-A2): length 26.7
  Top w0.2: v1(78.79,49.71) 78.87,49.48 77.02,45.68 v1(77.62,43.94) ; SW18.2 78.25,37.92 v1(77.35,38.35) ; v1(83.94,56.1) 84.08,56.15 D9.2
  Bottom w0.2: v1(77.35,38.35) 77.1,38.48 75.89,41.99 76.69,43.62 v1(77.62,43.94) ; v1(78.79,49.71) 78.89,49.92 83.01,51.33 84.52,54.43 v1(83.94,56.1)
Net-(D10-A1): length 46.5
  Top w0.2: v1(73.13,41.57) 72.11,44.51 73.52,47.39 v1(73.36,47.85)
  Bottom w0.2: v1(73.36,47.85) 75.02,48.42 76.43,51.31 74.36,57.33 70.41,59.25 71.29,61.05 76.57,62.87 85.1,58.71 D10.1 ; v1(73.13,41.57) 73.63,40.1 SW19.2
Net-(D10-A2): length 52.1
  Bottom w0.2: D10.2 86.39,59.08 76.6,63.86 69.58,61.44 68.48,59.19 74.19,56.41 75.96,51.26 75.74,50.81 75.27,50.65 74.83,50.87 73.77,53.94 72.82,54.41 68.09,52.78 SW20.2
Net-(D10-K): length 101.1
  Top w0.2: v1(86.32,46.71) 88.19,47.36 v1(91.12,53.38) ; v1(84.59,40.85) 84.77,40.35 v1(82.71,36.12)
  Bottom w0.2: v1(82.71,36.12) 82.78,35.91 JP4.2 ; D12.3 29.19,67.68 37.08,70.39 39.94,69 41.01,69.36 41.02,69.39 41.72,69.63 50.69,65.26 59.71,68.36 69.74,63.48 D11.3 88.05,58.72 D10.3 90.96,53.85 v1(91.12,53.38) ; v1(86.32,46.71) 85.91,46.57 85.69,46.11 85.02,45.88 84.81,45.44 85.59,43.17 84.54,41.01 v1(84.59,40.85)
Net-(D11-A1): length 27.4
  Top w0.2: v1(69.89,56.5) 69.34,58.1 73.11,65.84 v1(73.07,65.97)
  Bottom w0.2: v1(69.89,56.5) 60.53,53.28 57.31,54.85 SW21.2 ; D11.1 72.84,66.08 v1(73.07,65.97)
Net-(D11-A2): length 95.5
  Bottom w0.2: D11.2 74.14,67.95 75.42,70.57 75.29,70.95 72.98,72.07 67.57,70.21 63.51,72.19 55.69,69.49 55.43,69.62 54.96,69.46 50.34,71.71 43.32,69.29 41.75,70.06 40.74,69.71 40.72,69.69 40.1,69.47 37.24,70.87 29.62,68.25 28.12,68.98 27.74,68.84 26.89,67.11 27.24,66.09 29.91,64.79 36.04,66.89 37.32,66.27 41.06,67.56 42.97,66.63 43.1,66.24 42.49,64.98 37.8,63.37 36.74,63.88 35.86,62.09 36.09,61.42 SW22.2
Net-(D12-A1): length 24.2
  Bottom w0.2: D12.1 20.63,66.69 19.22,63.8 20.99,58.66 22.27,58.03 23.84,53.49 SW23.2
Net-(D12-A2): length 24.6
  Bottom w0.2: SW24.2 13.92,52.93 16.09,57.36 15.48,59.12 19.72,67.79 D12.2
Net-(D13-A1): length 9
  Top w0.2: D13.1 9.59,30.12 SW25.2
Net-(D13-A2): length 6.9
  Top w0.2: SW26.2 17.12,30.39 D13.2
Net-(D14-A1): length 18.1
  Top w0.2: v1(34.9,35.74) 37.66,36.69 SW27.2 ; D14.1 43.8,29.89 v1(43.82,29.83)
  Bottom w0.2: v1(43.82,29.83) 35.55,33.87 v1(34.9,35.74)
Net-(D14-A2): length 9.8
  Top w0.2: v1(46.36,35.05) 46.31,35.03 D14.2 ; SW28.2 51.11,36.89 v1(51.82,34.83)
  Bottom w0.2: v1(46.36,35.05) 48.87,33.82 v1(51.82,34.83)
Net-(D15-A1): length 15.6
  Top w0.2: SW29.2 54.73,25.85 49.64,28.33 49.05,30.05 49.21,30.39 49.08,30.77 48.75,30.94 48.48,31.72 D15.1
Net-(D15-A2): length 31.2
  Top w0.2: SW30.2 68.17,19.4 61.1,22.85 52.54,19.9 49.94,21.17 47.2,29.12 D15.2
Net-(D16-A1): length 23.7
  Top w0.2: v1(60.07,21.61) 60.56,21.78 v1(64.98,19.62)
  Bottom w0.2: v1(64.98,19.62) 65.33,19.74 SW31.2 ; D16.1 58.82,25.24 v1(60.07,21.61)
Net-(D16-A2): length 8.7
  Bottom w0.2: D16.2 49.75,32.62 SW32.2
Net-(D16-K): length 123.1
  Top w0.2: v1(45.32,36.11) 44.33,34.09 44.63,33.22 v1(46.3,32.4)
  Bottom w0.2: D18.3 12.3,29.85 11.36,29.53 7.47,31.43 7.32,31.86 8.3,33.88 15.57,36.38 19.85,34.29 33.09,38.85 34.06,40.83 35.38,41.29 41.1,38.5 D17.3 43.13,35.36 v1(45.32,36.11) ; v1(46.3,32.4) 46.3,32.4 D16.3 59.15,26.14 61.92,18.08 66.01,16.08 66.48,16.25 66.7,16.69 66.69,16.72 75.12,34 78.89,35.3 JP6.2
Net-(D17-A1): length 7.2
  Top w0.2: v1(46.34,36.61) 46.48,36.55 47.24,34.34 47.06,33.97 v1(47.06,33.95)
  Bottom w0.2: D17.1 46.02,33.6 v1(47.06,33.95) ; SW33.2 46.96,36.83 v1(46.34,36.61)
Net-(D17-A2): length 14.2
  Bottom w0.2: SW34.2 36.71,34.75 43.32,31.52 D17.2
Net-(D18-A1): length 22.5
  Bottom w0.2: SW35.2 14.74,35.67 8.59,33.55 7.75,31.83 7.79,31.72 11.39,29.96 13.06,30.54 D18.1
Net-(D18-A2): length 13
  Bottom w0.2: D18.2 15.03,27.02 6.45,31.21 SW36.2
Net-(D19-A1): length 11.7
  Top w0.2: D19.1 47.46,8.11 50.53,14.41 SW37.2
Net-(D19-A2): length 18.8
  Top w0.2: SW38.2 62.48,9.37 SW38.2 57.69,7.71 51.06,5.43 D19.2
Net-(D20-A1): length 6.5
  Top w0.2: SW39.2 83.41,17.68 D20.1
Net-(D20-A2): length 8.1
  Top w0.2: JP9.1 88.77,25.46 D20.2
Net-(D21-A1): length 10
  Bottom w0.2: D21.1 57.09,6.25 SW41.2
Net-(D21-A2): length 13.6
  Bottom w0.2: D21.2 51.41,10.48 51.11,11.37 51.06,11.39 49.25,16.65 SW42.2
Net-(D21-K): length 47.7
  Bottom w0.2: JP12.2 86.49,22.15 83.43,19.09 83.43,15.31 82.36,14.24 82.12,14.24 77.03,16.73 51.17,7.82 D21.3
Net-(D22-A): length 2.9
  Top w0.2: F1.1 12.75,14.8 13.55,15.61 13.55,16.73 D22.2
Net-(J1-CC1): length 3.3
  Top w0.2: J1.A5 8.86,21.15 10.21,22.5 R1.2
Net-(J1-CC2): length 2.8
  Top w0.2: J1.B5 9.86,18.15 R2.2
Net-(J1-SHIELD): length 24.3
  Top w0.2: JP23.1 5.11,25.91 4.59,24.85 J1.S1 ; J1.S1 J1.S1 5.56,15.58 5.56,21.42 J1.S1 ; J1.S1 J1.S1
Net-(JP1-B): length 6.6
  Top w0.2: H1.1 93.58,35.29 JP1.2
  Bottom w0.2: H1.1 93.58,35.29 JP1.2
Net-(JP3-B): length 6.6
  Top w0.2: H2.1 93.61,32.78 JP3.2
  Bottom w0.2: H2.1 93.61,32.78 JP3.2
Net-(JP5-B): length 6.6
  Top w0.2: H3.1 93.62,30.27 JP5.2
  Bottom w0.2: JP5.2 93.62,30.27 H3.1
Net-(JP7-B): length 6.6
  Top w0.2: JP7.2 93.62,27.77 H4.1
  Bottom w0.2: JP7.2 93.62,27.77 H4.1
Net-(JP8-B): length 35.6
  Bottom w0.2: SW19.1 SW31.1 77.4,22.69 JP8.2 ; SW7.1 SW19.1
Net-(JP10-A): length 6.6
  Top w0.2: JP9.2 93.64,25.26 H5.1
  Bottom w0.2: JP9.2 93.64,25.26 H5.1
Net-(JP10-B): length 14.4
  Bottom w0.2: SW40.2 81.05,17.27 86.33,22.55 88.32,22.55 JP10.2
Net-(JP11-B): length 6.6
  Top w0.2: JP11.2 93.64,22.76 H6.1
  Bottom w0.2: H6.1 93.64,22.76 JP11.2
Net-(JP13-B): length 6.6
  Top w0.2: H7.1 93.65,47.88 JP13.2
  Bottom w0.2: H7.1 93.65,47.88 JP13.2
Net-(JP14-B): length 66
  Top w0.2: v1(71.62,21.84) 71.58,21.97 v1(64.75,25.3)
  Bottom w0.2: SW8.1 SW20.1 78.21,48.89 81.22,47.42 81.62,47.55 82.75,47 86.09,48.16 88.95,46.76 JP14.2 ; SW40.1 81.08,15.19 77.77,16.81 77.03,18.95 71.73,21.54 v1(71.62,21.84) ; SW20.1 SW32.1 ; v1(64.75,25.3) SW32.1
Net-(JP15-B): length 6.6
  Top w0.2: JP15.2 93.64,45.38 H8.1
  Bottom w0.2: H8.1 93.64,45.38 JP15.2
Net-(JP16-B): length 54.4
  Bottom w0.2: JP16.2 90.16,45.5 86.31,47.38 85.77,47.2 85.4,46.44 84.8,46.23 84.04,46.6 82.7,46.14 81.57,46.69 81.17,46.55 78.15,48.02 73.4,46.38 72.88,45.32 67.85,43.59 57.77,48.51 SW21.1 SW33.1 ; SW21.1 SW9.1
Net-(JP17-B): length 6.7
  Top w0.2: JP17.2 93.65,42.87 H9.1
  Bottom w0.2: JP17.2 93.65,42.87 H9.1
Net-(JP18-B): length 112.2
  Top w0.2: v1(66.05,16.73) 65.74,16.1 65.74,13.99 66.91,12.82 66.91,11.8 67.74,10.97 v1(70.35,10.97)
  Bottom w0.2: 76.91,35.81 73.67,34.69 65.58,18.11 v1(66.05,16.73) ; 76.91,35.81 78.36,36.31 78.47,36.53 87.28,39.57 88.23,41.5 JP18.2 ; 76.91,35.81 76.65,36.54 66.28,41.6 55.15,37.77 47.65,41.43 SW22.1 SW34.1 ; SW22.1 SW10.1 ; SW41.1 66.56,9.66 69.05,9.66 v1(70.35,10.97)
Net-(JP19-B): length 6.6
  Top w0.2: H10.1 93.67,40.36 JP19.2
  Bottom w0.2: JP19.2 93.67,40.36 H10.1
Net-(JP20-B): length 100.2
  Top w0.2: v1(84.87,43.3) 88.11,41.72 v1(88.48,40.65)
  Bottom w0.2: JP20.2 90.37,39.73 v1(88.48,40.65) ; SW35.1 SW23.1 ; SW23.1 SW11.1 ; SW11.1 42.77,64.66 43.79,66.73 44.93,67.12 52.53,63.41 56.95,50.58 52.74,41.95 54.09,41.29 64.38,44.84 69.78,42.21 81.54,46.26 82.67,45.71 83.34,45.94 84.09,45.57 v1(84.87,43.3)
Net-(JP21-B): length 6.6
  Top w0.2: JP21.2 93.71,37.85 H11.1
  Bottom w0.2: JP21.2 93.71,37.85 H11.1
Net-(JP22-B): length 119.1
  Top w0.2: v1(66.84,18.4) 60.27,16.14 v1(57.31,17.58)
  Bottom w0.2: SW24.1 SW12.1 ; SW36.1 12.57,33.61 28.11,26.04 35.06,28.43 47.3,22.46 48.64,18.58 49.89,17.97 50.15,17.21 50.01,16.92 50.57,15.29 SW42.1 52.02,14.93 52.51,15.93 v1(57.31,17.58) ; v1(66.84,18.4) 74.57,34.23 87.45,38.67 JP22.2 ; SW36.1 SW24.1
Net-(SW43-A): length 9.9
  Top w0.2: R3.2 17.88,18.36 v1(19.19,18.81) ; BOOT.1 v1(20.26,21)
  Bottom w0.2: v1(19.19,18.81) v1(20.26,20.99)

## Copper pours and planes (outline as drawn; the poured copper is in the pictures)
GND on Top: 94.9,0.01 94.9,76.01 -0.1,76.01 -0.1,0.01
GND on Top, Bottom: -0.1,76.01 94.9,76.01 94.9,0.01 -0.1,0.01

Small or netless copper shapes (teardrops, artwork), in the pictures only: 26 on Top, 18 on Bottom
